# Altium PCB 2014_FDP_PCB.PcbDoc (part 4 of 4)
Units mil, origin at the board's own origin, x right, y up, seen from the top; angles counter-clockwise.
Board outline 4330.71 x 10236.22 mil, 4 copper layers (1-TOP, 2-GND, 3-SIGNAL, 4-BOT); 394 components, 292 nets, 1439 pads, 525 vias.
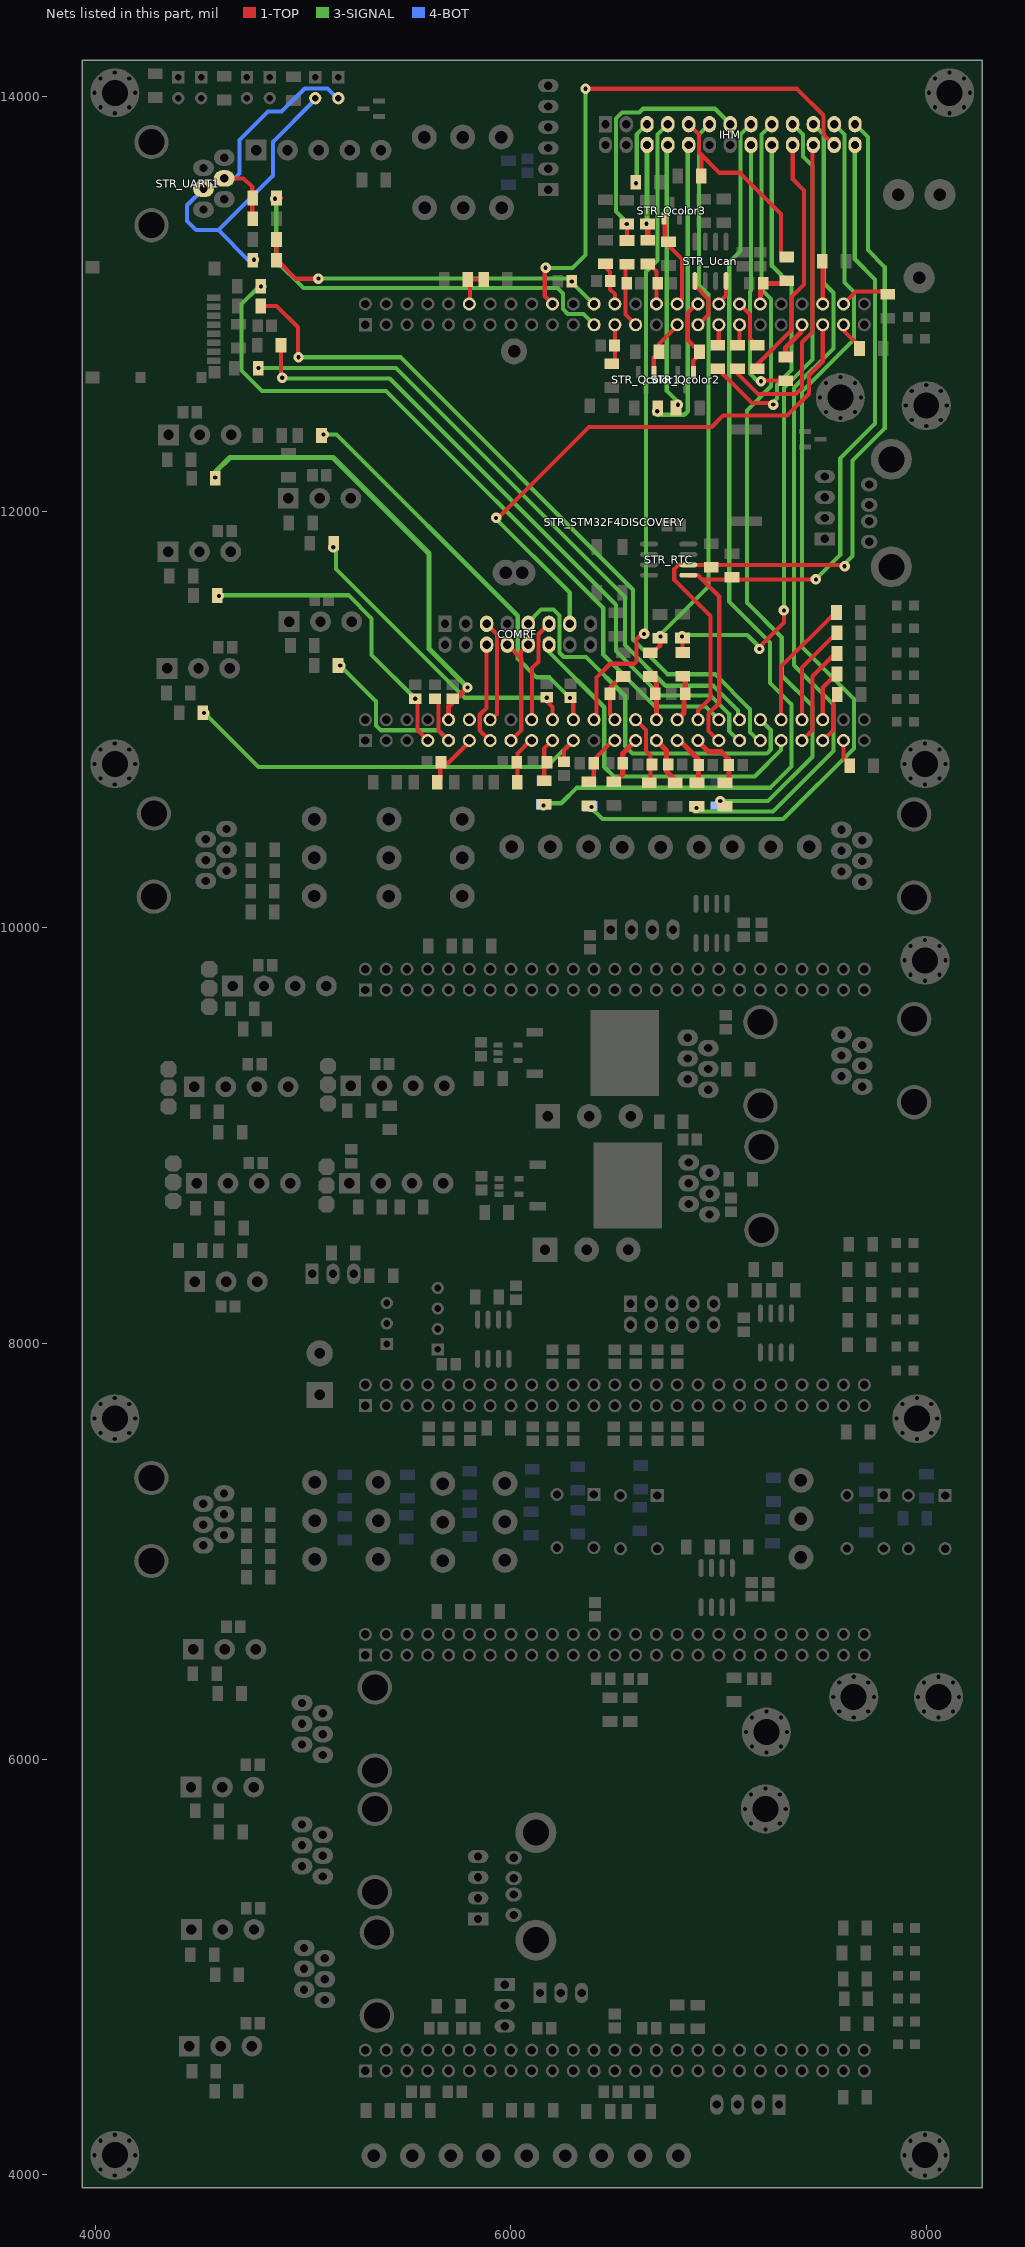
[diagram p6: the nets of this part, all layers, seen from the top]

## Via types
v1: diameter 50, hole 20, 1-TOP to 4-BOT, 525 vias

## Nets (pads, with @x,y where several pads share a name; then routed paths per layer and width w, separated by ;. In a path a pad name is that pad's centre, name@x,y a point inside that pad or via, vN(x,y) a via of type N, cw(c..) or ccw(c..) an arc to the next point about the centre after c; other vN are vias at no path point) (continued)
STR_IHM_BIROUTE: IHM.13 STR_RpuBPD7.1 STR_RsBPD7.1 | length 1199.9
  1-TOP w20: STR_RsBPD7.1@6558,13305.09 STR_RpuBPD7.1@6558,13376
  3-SIGNAL w20: v1@6563,13387 6505,13445 6505,13601 6505,13891.7 6534.67,13921.37 6617.37,13921.37 6635,13939 6981,13939 IHM.13@7055,13865
  other v1: 6557,13384
STR_IHM_BP_MENU_LCD+: IHM.19 STR_RpuBPE14.1 STR_RsBPE14.1 | length 3147.6
  1-TOP w20: STR_RsBPE14.1@6825,11323 STR_RpuBPE14.1@6825,11392.91 STR_RpuBPE14.1@6832.06,11385.85 ; v1@7196,11349 7314,11467 v1@7314,11520
  3-SIGNAL w20: v1@6816,11408 7137,11408 v1@7199,11346 ; v1@7313,11522 7313,12595 7450,12732 7450,13665 7405,13710 7405,13815 IHM.19@7355,13865
  other v1: 7195,11340 6823,11401 7313,11526
STR_IHM_BP_MENU_LCD-: IHM.17 STR_RpuBPE15.1 STR_RsBPE15.1 | length 3785.5
  3-SIGNAL w20: v1@7014,10609 7237,10609 7450,10822 7450,11066 7303,11213 7303,11395 7135,11563 7135,12488 7251,12604 7251,13023 7205,13069 7205,13815 IHM.17@7255,13865
  other v1: 7007,10609
STR_IHM_BP_MENU_LCD_OK: IHM.21 STR_RpuBPE13.1 STR_RsBPE13.1 | length 4003.5
  3-SIGNAL w20: v1@6880,10559 7261,10559 7551,10849 7551,11073 7362,11262 7362,12597 7551,12786 7551,13054 7505,13100 7505,13815 IHM.21@7455,13865
  other v1: 6892,10576
STR_IHM_BP_PRINT_MATCH: IHM.9 STR_RpuBPA15.1 STR_RsBPA15.1 | length 1005.4
  1-TOP w20: IHM.9@6855,13865 6904.09,13815.91 6904.09,13729.91 7003.06,13630.93 7102.06,13630.93 7300,13433 STR_RsBPA15.1@7300,13217.09 ; 6906,13727 6916.09,13716.91 STR_RpuBPA15.1@6916.09,13616
STR_IHM_BP_SELFTEST: IHM.11 STR_RpuBPE12.1 STR_RsBPE12.1 | length 2704.6
  1-TOP w20: STR_RsBPE12.1@6670,11322.09 6684.09,11322.09 6718,11356 STR_RpuBPE12.1@6718,11401
  3-SIGNAL w20: v1@6715,11405 6951,11641 6951,13045 6905,13091 6905,13815 IHM.11@6955,13865
  other v1: 6719,11401
STR_IHM_BP_SET: IHM.15 STR_RpuBPC5.1 STR_RsBPC5.1 | length 4524.1
  3-SIGNAL w20: v1@6157,10598 6242,10598 6317,10673 7248,10673 7350,10775 7350,11074 7247,11177 7247,11371 7050,11568 7050,13199 7105,13254 7105,13815 IHM.15@7155,13865
  other v1: 6156,10588
STR_IHM_LCD_RESET: IHM.24 STR_STM32F4DISCOVERY.70 | length 2553.7
  1-TOP w20: v1@6163,13165 6163,13037 STR_STM32F4DISCOVERY.70@6200,13000 ; v1@6364,14035 7377,14035 7504.09,13907.91 7504.09,13815.91 IHM.24@7555,13765
  3-SIGNAL w20: v1@6168,13173 6297,13173 6359,13235 v1(6359,14035)
  other v1: 6167,13174
STR_IHM_LED_BLUE: IHM.5 STR_RledColor3.2 | length 302.7
  3-SIGNAL w20: v1@6605,13583 6605,13815 IHM.5@6655,13865
  other v1: 6601,13581
STR_IHM_LED_GREEN: IHM.10 STR_RledColor1.2 | length 1435.7
  3-SIGNAL w20: v1@6705,12467 6834,12467 6851,12484 6851,13761 IHM.10@6855,13765
  other v1: 6704,12484
STR_IHM_LED_IHM+: IHM.20 STR_RsLedC11.2 | length 1186.7
  1-TOP w20: STR_RsLedC11.2@7185,12687.91 7185,12709 7350,12874 7350,13034 7410,13094 7410,13546 7356,13600 IHM.20@7356,13759
STR_IHM_LED_IHM-: IHM.18 STR_RsLedC12.2 | length 1657.9
  1-TOP w20: STR_RsLedC12.2@6995,12687.91 7091.91,12591 7092,12591 7160,12523 v1@7276,12523
  3-SIGNAL w20: IHM.18@7255,13765 7255,13184 7350,13089 7350,12682 7280,12612 7280,12546 v1@7265,12531
  other v1: 7262,12516
STR_IHM_LED_IHM_OK: IHM.22 STR_RsLedC10.2 | length 1580.7
  1-TOP w20: STR_RsLedC10.2@7082,12688 7082,12673 7188,12567 7371,12567 7400,12596 7400,12816 7450,12866 7450,13760 IHM.22@7455,13765
STR_IHM_LED_IHM_SET: IHM.16 STR_RsLedA8.2 | length 1278.2
  1-TOP w20: v1@7208,12631 STR_RsLedA8.2@7331.09,12631
  3-SIGNAL w20: IHM.16@7155,13765 7155,13064 7150,13059 7150,12665 v1@7187.5,12627.5
  other v1: 7203,12628
STR_IHM_LED_RED: IHM.8 STR_RledColor2.2 | length 1275.2
  3-SIGNAL w20: IHM.8@6755,13765 6750,13760 6750,12581 v1@6813,12518
  other v1: 6803,12515
STR_IHM_SCL: IHM.25 STR_Rscl.1 STR_RTC.6 STR_STM32F4DISCOVERY.34 | length 3882.8
  1-TOP w20: STR_RTC.6@6830,11745 6806,11745 6786,11725 6786,11672 6960,11498 6960,11104 6900,11044 STR_STM32F4DISCOVERY.34@6900,11000 ; STR_RTC.6@6853.49,11745 v1@7596,11745
  3-SIGNAL w20: v1@7598,11741 7644,11787 7644,12247 7798,12401 7798,13178 7717,13259 7717,13803 IHM.25@7655,13865
  other v1: 7605,11738
STR_IHM_SDA: IHM.26 STR_Rsda.1 STR_RTC.5 STR_STM32F4DISCOVERY.35 | length 3707.5
  1-TOP w20: STR_RTC.5@6853.49,11695 6900,11695 6920,11675 ; STR_STM32F4DISCOVERY.35@6997,10899 6950,10946 6950,11029 7002,11081 7002,11593 6920,11675 ; v1@7465,11675 6920,11675
  3-SIGNAL w20: v1@7475,11684 7584,11793 7584,12256 7752,12424 7752,13118 7654,13216 7654,13749 7655,13750 IHM.26@7655,13765
  other v1: 7467,11675
STR_IHM_SW_COLOR: IHM.6 STR_RpuBPD6.1 STR_RsBPD6.1 | length 444.9
  1-TOP w25: STR_RsBPD6.1@6658,13306.09 STR_RpuBPD6.1@6658,13375
  3-SIGNAL w25: v1@6655,13389 6655,13683 IHM.6@6655,13765
  other v1: 6653,13386
STR_IHM_SW_LCD: IHM.23 STR_RpuBPE7.1 STR_RsBPE7.1 | length 4681.7
  3-SIGNAL w20: v1@6381,10581 6440,10522 7308,10522 ; 7310,10522 7650,10862 7650,11099 7400,11349 7400,12579 7650,12829 7650,13058 7605,13103 7605,13815 IHM.23@7555,13865
  other v1: 6387,10580
STR_PA0_BP_RUN_MATCH: STR_STM32F4DISCOVERY.12
STR_PA1_SW_DEBUG: STR_CfSWA1.2 STR_RsSWA1.2 STR_STM32F4DISCOVERY.11 | length 277.4
  1-TOP w20: STR_RsSWA1.2@5646.09,10699 5660,10712.91 5660,10793 5699,10793 STR_STM32F4DISCOVERY.11@5797,10891
STR_PA2_XBEE_TX: COMRF.5 STR_STM32F4DISCOVERY.14 | length 491.9
  1-TOP w20: COMRF.5@5883,11461 5933,11411 5933,11028 STR_STM32F4DISCOVERY.14@5906,11001
STR_PA3_XBEE_RX: COMRF.6 STR_STM32F4DISCOVERY.13 | length 523.2
  1-TOP w20: STR_STM32F4DISCOVERY.13@5879,10921 STR_STM32F4DISCOVERY.13@5900,10900 ; COMRF.6@5879,11354 COMRF.6@5880,11355 ; COMRF.6@5883,11361 5883,11057 5850,11024 5850,10949 STR_STM32F4DISCOVERY.13@5897,10902
STR_PA5_RF_XBEE_RESET: COMRF.8 COMRF.10 STR_STM32F4DISCOVERY.15 | length 579.6
  1-TOP w20: COMRF.8@5983,11361 6047,11297 6048,11297 ; STR_STM32F4DISCOVERY.15@6000,10900 6050,10950 6050,11295 6048,11297 ; COMRF.10@6076,11355 6048,11327 6048,11297
STR_PA6_RF_CONFIG: COMRF.11 STR_STM32F4DISCOVERY.18 | length 500.6
  1-TOP w20: STR_STM32F4DISCOVERY.18@6102,10994 6102,11248 6133,11279 6133,11411 COMRF.11@6183,11461
STR_PA7_SW_VERBOSE: STR_CfSWA7.2 STR_RsSWA7.2 STR_STM32F4DISCOVERY.17 | length 228.5
  1-TOP w20: STR_RsSWA7.2@6031.09,10699 6031.09,10837.09 STR_STM32F4DISCOVERY.17@6095,10901
STR_PA8_LED_IHM_SET: STR_RsLedA8.1 STR_STM32F4DISCOVERY.93 | length 181.7
  1-TOP w25: STR_RsLedA8.1@7322,12745.09 7322,12790 7394,12862 STR_STM32F4DISCOVERY.93@7394,12897
STR_PA15_BP_PRINT_MATCH: STR_CfBPA15.2 STR_RsBPA15.2 STR_STM32F4DISCOVERY.90 | length 172.4
  1-TOP w25: STR_STM32F4DISCOVERY.90@7200,13000 7200,13068 7230,13098 STR_RsBPA15.2@7292,13098
STR_PB0_MESURE_24V: STR_Cmes24.2 STR_Rsmed24.2 STR_STM32F4DISCOVERY.22 | length 1928.1
  1-TOP w20: STR_Cmes24.2@6285,11097 6300,11082 STR_STM32F4DISCOVERY.22@6300,11000
  3-SIGNAL w20: v1@5104,12372 5161,12372 6033,11500 6033,11295 6124,11204 6185,11204 v1(6284,11105)
  other v1: 5099,12372
STR_PB1_CAPTEUR: STR_CfDTb1.2 STR_RfDTb1.2 STR_STM32F4DISCOVERY.21 | length 2047.2
  1-TOP w20: STR_CfDTb1.2@6255,10798.46 6255,10853 STR_STM32F4DISCOVERY.21@6295,10893
  3-SIGNAL w20: v1@4525,11033 4786,10772 6172,10772 STR_STM32F4DISCOVERY.21@6300,10900
  other v1: 4524,11032
STR_PB2_RFU: IHM.7 STR_STM32F4DISCOVERY.24 | length 3088
  1-TOP w20: STR_STM32F4DISCOVERY.24@6400,11000 6412,11012 6412,11203 6478,11269 6592,11269 6604,11281 6604,11387 v1@6636,11419
  3-SIGNAL w20: v1@6650,11404 6650,13155 6705,13210 6705,13815 IHM.7@6755,13865
  other v1: 6641,11413
STR_PB4_SW_XBEE_ON/OFF: STR_CfSWB4.2 STR_RsSWB4.2 STR_STM32F4DISCOVERY.75 | length 192.6
  1-TOP w20: STR_RsSWB4.2@6489,12712 6500,12723 STR_STM32F4DISCOVERY.75@6500,12900
STR_PB5_SW_SAVE_ON/OFF: STR_CfSWB5.2 STR_RsSWB5.2 STR_STM32F4DISCOVERY.76 | length 209.6
  1-TOP w20: STR_RsSWB5.2@6455,13192.91 6455,13176 6477,13154 6477,13070 6500,13047 STR_STM32F4DISCOVERY.76@6500,13002
STR_PB6_U1TX: STR_RsU1tx.2 STR_STM32F4DISCOVERY.73 | length 2025.4
  1-TOP w20: STR_RsU1tx.2@4872.09,13510 4873.09,13509 STR_RsU1tx.2@4894,13509
  3-SIGNAL w20: v1@4871,13510 4871,13208 5002,13077 6224,13077 6250,13051 6250,12975 6273.5,12951.5 6348.5,12951.5 STR_STM32F4DISCOVERY.73@6400,12900
  other v1: 4865,13506
STR_PB7_U1RX: STR_Cu1rx.2 STR_RpuU1rx.1 STR_Rsu1rx.1 STR_STM32F4DISCOVERY.74 | length 1710.2
  1-TOP w20: STR_RpuU1rx.1@4872.09,13310 4872.09,13215.09 4966.17,13121 v1@5072,13121
  3-SIGNAL w20: v1(5074,13122) 6275,13122 6366,13031 STR_STM32F4DISCOVERY.74@6399,12998
  other v1: 6293,13108
STR_PB12_SD_CS: STR_RsdCS.1 STR_STM32F4DISCOVERY.36 | length 3563.1
  3-SIGNAL w20: v1@4790,13085 4704,12999 4704,12680 4802,12582 5399,12582 6444,11537 6444,11314 6694,11064 6936,11064 STR_STM32F4DISCOVERY.36@7000,11000
  other v1: 4798,13084
STR_PB13_SD_SCK: STR_RsdSck.1 STR_STM32F4DISCOVERY.37 | length 3267.6
  1-TOP w20: v1@4894.09,12639.09 STR_RsdSck.1@4894.09,12802
  3-SIGNAL w20: v1@4891,12642 5417,12642 6506,11553 6506,11330 6720,11116 6961,11116 7050,11027 7050,10946 STR_STM32F4DISCOVERY.37@7096,10900
  other v1: 4900,12645
STR_PB14_SD_MISO: STR_RsdMiso.1 STR_STM32F4DISCOVERY.38 | length 3169.5
  3-SIGNAL w20: v1(4785,12692) 5447,12692 6549,11590 6549,11359 6745,11163 6974,11163 7092,11045 STR_STM32F4DISCOVERY.38@7092,11000
STR_PB15_SD_MOSI: STR_RsdMosi.1 STR_STM32F4DISCOVERY.39 | length 3561.5
  1-TOP w20: STR_RsdMosi.1@4797.09,12990 4873,12990 4975,12888 v1@4975,12740
  3-SIGNAL w20: v1@4974,12744 5469,12744 6588,11625 6588,11385 6754,11219 6981,11219 7150,11050 7150,10940 STR_STM32F4DISCOVERY.39@7196,10894
  other v1: 4978,12744
STR_PC1_CAPTEUR: STR_CfDTc1.2 STR_RfDTc1.2 STR_STM32F4DISCOVERY.7 | length 1475.1
  1-TOP w20: STR_CfDTc1.2@5550,11098 5550,10950 STR_STM32F4DISCOVERY.7@5600,10900
  3-SIGNAL w20: v1@4593,11599 5218,11599 5330,11487 5330,11311 v1(5540,11101)
  other v1: 4595,11595
STR_PC2_CAPTEUR: STR_CfDTc2.2 STR_RfDTc2.2 STR_STM32F4DISCOVERY.10 | length 2184.4
  1-TOP w25: STR_STM32F4DISCOVERY.10@5700,11000 5700,11064 v1(5791,11155)
  3-SIGNAL w25: v1@4582,12167 4582,12195 4649,12262 5144,12262 5606,11800 5606,11341 v1@5791,11156
  other v1: 4578,12165
STR_PC3_CAPTEUR: STR_CfDTc3.2 STR_RfDTc3.2 STR_STM32F4DISCOVERY.9 | length 954.7
  1-TOP w20: STR_CfDTc3.2@5636,11100 5651.5,11084.5 5651.5,10948.5 STR_STM32F4DISCOVERY.9@5700,10900
  3-SIGNAL w20: v1@5181,11259 5351.5,11088.5 5351.5,10972.42 5374.92,10949 5652,10949 STR_STM32F4DISCOVERY.9@5695,10906
  other v1: 5179,11260
STR_PC4_CAPTEUR: STR_CfDTc4.2 STR_RfDTc4.2 STR_STM32F4DISCOVERY.20 | length 1468.1
  1-TOP w20: STR_CfDTc4.2@6162,11099 6200,11061 STR_STM32F4DISCOVERY.20@6200,11000
  3-SIGNAL w20: 5158,11808 5158,11725 5777,11106 v1(6172,11106)
  other v1: 5145,11830
STR_PC5_BP_SET: STR_CfBPC5.2 STR_RsBPC5.2 STR_STM32F4DISCOVERY.19 | length 199.2
  1-TOP w20: STR_RsBPC5.2@6160,10707.09 6160,10861 STR_STM32F4DISCOVERY.19@6192,10893
STR_PC6_LED_BEACON_1_G: STR_RledC6.1 STR_STM32F4DISCOVERY.97 | length 131.7
  1-TOP w20: STR_STM32F4DISCOVERY.97@7600,12900 7600,12873 STR_RledC6.1@7674,12799
STR_PC7_LED_BEACON_1_R: STR_RledC7.1 STR_STM32F4DISCOVERY.98 | length 215.9
  1-TOP w20: STR_STM32F4DISCOVERY.98@7600,13000 7660,13060 STR_RledC7.1@7791,13060
STR_PC8_SYNCHROBALISE: COMRF.13 STR_STM32F4DISCOVERY.95 | length 2758.2
  1-TOP w20: v1@5938,11971 6375,12408 6966,12408 7021,12463 7329,12463 7434,12568 7434,12657 7500,12723 STR_STM32F4DISCOVERY.95@7500,12900
  3-SIGNAL w20: v1@5925.5,11968.5 6283,11611 COMRF.13@6283,11461
  other v1: 5929,11971
STR_PC9_BUZZER: STR_RsBuz.1 STR_STM32F4DISCOVERY.96 | length 195
  1-TOP w20: STR_STM32F4DISCOVERY.96@7500,13000 STR_RsBuz.1@7500,13195
STR_PC10_LED_IHM_OK: STR_RsLedC10.1 STR_STM32F4DISCOVERY.87 | length 90
  1-TOP w20: STR_RsLedC10.1@7100,12810 STR_STM32F4DISCOVERY.87@7100,12900
STR_PC11_LED_IHM_+: STR_RsLedC11.1 STR_STM32F4DISCOVERY.88 | length 229.1
  1-TOP w20: STR_STM32F4DISCOVERY.88@7100,13000 7150,12950 7150,12834 STR_RsLedC11.1@7180,12804
STR_PC12_LED_IHM_-: STR_RsLedC12.1 STR_STM32F4DISCOVERY.85 | length 89
  1-TOP w20: STR_RsLedC12.1@7000,12811 STR_STM32F4DISCOVERY.85@7000,12900
STR_PC13_WHO_AM_I: STR_RdwnWAmI.2 STR_RupWAmI.1 STR_STM32F4DISCOVERY.62 | length 192
  1-TOP w20: STR_RupWAmI.1@5793.09,13118 STR_RdwnWAmI.2@5868.91,13118 STR_RdwnWAmI.2@5869,13118 ; STR_STM32F4DISCOVERY.62@5802.91,13003.91 STR_RupWAmI.1@5802.91,13120
STR_PD0_CANRX: STR_STM32F4DISCOVERY.86 STR_Ucan.4 | length 113.1
  1-TOP w20: STR_STM32F4DISCOVERY.86@7000,13000 7000,13006 7034,13040 STR_Ucan.4@7034,13099
STR_PD1_CANTX: STR_STM32F4DISCOVERY.83 STR_Ucan.1 | length 251.1
  1-TOP w20: STR_Ucan.1@6885,13110.51 6885,13088 6951,13022 6951,12949 STR_STM32F4DISCOVERY.83@6907,12905
STR_PD2_LED_COLOR: STR_Qcolor2.1 STR_RpdColor2.2 STR_STM32F4DISCOVERY.84 | length 356.3
  1-TOP w20: STR_Qcolor2.1@6877.4,12672.4 6877.4,12728.4 STR_RpdColor2.2@6900,12751 ; STR_STM32F4DISCOVERY.84@6891,12999 6851.5,12959.5 6851.5,12825.58 STR_RpdColor2.2@6907.09,12770
STR_PD3_LED_COLOR: STR_Qcolor1.1 STR_RpdColor1.2 STR_STM32F4DISCOVERY.81 | length 263
  1-TOP w20: STR_Qcolor1.1@6687.4,12672.4 6687.4,12742.4 STR_RpdColor1.2@6715,12770 ; STR_RpdColor1.2@6712.09,12770 6712.09,12808.09 STR_STM32F4DISCOVERY.81@6794,12890
STR_PD4_LED_COLOR: STR_Qcolor3.1 STR_RpdColor3.2 STR_STM32F4DISCOVERY.82 | length 438.4
  1-TOP w20: STR_RpdColor3.2@6740,13317 STR_Qcolor3.1@6740,13411 ; STR_RpdColor3.2@6763,13310 6763,13277 6823,13217 6823,13023 STR_STM32F4DISCOVERY.82@6800,13000
STR_PD6_SW_COLOR: STR_CfBPD6.2 STR_RsBPD6.2 STR_STM32F4DISCOVERY.80 | length 202.3
  1-TOP w20: STR_RsBPD6.2@6668,13189 6700,13157 STR_STM32F4DISCOVERY.80@6700,13000
STR_PD7_BIROUTE: STR_CfBPD7.2 STR_RsBPD7.2 STR_STM32F4DISCOVERY.77 | length 311.5
  1-TOP w20: STR_RsBPD7.2@6548,13190 6551,13187 6551,12949 STR_STM32F4DISCOVERY.77@6600,12900
STR_PD8_RF_TX: COMRF.9 STR_STM32F4DISCOVERY.40 | length 1895.5
  3-SIGNAL w20: COMRF.9@6084,11469 6145,11530 6205,11530 6233,11502 6233,11322 6254,11301 6362,11301 6550,11113 6550,10873 6585,10838 7231,10838 7250,10857 7250,10950 STR_STM32F4DISCOVERY.40@7200,11000
STR_PD9_RF_RX: COMRF.12 STR_STM32F4DISCOVERY.41 | length 1656.9
  3-SIGNAL w20: COMRF.12@6178,11349 6183,11344 6183,11326 6449,11060 6449,10773 6495,10727 7173,10727 7300,10854 STR_STM32F4DISCOVERY.41@7300,10900
STR_PD10_ERROR: STR_Rderror.1 STR_STM32F4DISCOVERY.42 | length 617
  1-TOP w20: STR_STM32F4DISCOVERY.42@7300,11000 7300,11255 STR_Rderror.1@7556,11511
STR_PD11_SELFTEST: STR_Rdselftest.1 STR_STM32F4DISCOVERY.43 | length 489.5
  1-TOP w20: STR_STM32F4DISCOVERY.43@7400,10900 7450,10950 7450,11209 STR_Rdselftest.1@7563,11322
STR_PD12_RUN: STR_Rdrun.1 STR_STM32F4DISCOVERY.44 | length 480.1
  1-TOP w20: STR_STM32F4DISCOVERY.44@7400,11000 7400,11251 STR_Rdrun.1@7562,11413
STR_PD13_CAN: STR_Rdcan.1 STR_STM32F4DISCOVERY.45 | length 236.2
  1-TOP w20: STR_STM32F4DISCOVERY.45@7500,10900 7551,10951 7551,11091 STR_Rdcan.1@7568,11108
STR_PD14_UART: STR_Rduart.1 STR_STM32F4DISCOVERY.46 | length 238.9
  1-TOP w20: STR_STM32F4DISCOVERY.46@7500,11000 7500,11154 STR_Rduart.1@7560,11214
STR_PD15_USER: STR_Rduser.1 STR_STM32F4DISCOVERY.47 | length 119.4
  1-TOP w20: STR_STM32F4DISCOVERY.47@7600,10900 7600,10816 STR_Rduser.1@7625,10791
STR_PE7_SW_LCD: STR_CfBPE7.2 STR_RsBPE7.2 STR_STM32F4DISCOVERY.25 | length 238.2
  1-TOP w20: STR_RsBPE7.2@6398.46,10713.46 STR_CfBPE7.2@6398.46,10790 ; STR_CfBPE7.2@6400,10785 6400,10809 6491,10900 STR_STM32F4DISCOVERY.25@6500,10900
STR_PE8_SW_EVIT: STR_CfSWE8.2 STR_RsSWE8.2 STR_STM32F4DISCOVERY.26 | length 231.8
  1-TOP w20: STR_STM32F4DISCOVERY.26@6500,11000 6476,11024 6476,11154 STR_RsSWE8.2@6524,11202
STR_PE9_SW_STRAT1: STR_CfSWE9.2 STR_RsSWE9.2 STR_STM32F4DISCOVERY.27 | length 233.4
  1-TOP w25: STR_RsSWE9.2@6505,10706 6538,10739 6538,10838 STR_STM32F4DISCOVERY.27@6600,10900
"STR_PE10_SW _STRAT2": STR_CfSWE10.2 STR_RsSWE10.2 STR_STM32F4DISCOVERY.28 | length 328.4
  1-TOP w20: STR_STM32F4DISCOVERY.28@6600,11000 6649,10951 6649,10850 6671,10828 STR_RsSWE10.2@6671,10701
STR_PE11_SW_STRAT3: STR_CfSWE11.2 STR_RsSWE11.2 STR_STM32F4DISCOVERY.29 | length 238.6
  1-TOP w25: STR_STM32F4DISCOVERY.29@6700,10900 6748,10852 6748,10752 STR_RsSWE11.2@6798,10702
STR_PE12_BP_SELFTEST: STR_CfBPE12.2 STR_RsBPE12.2 STR_STM32F4DISCOVERY.30 | length 216.1
  1-TOP w25: STR_RsBPE12.2@6670,11207.91 6696.91,11181 ; STR_STM32F4DISCOVERY.30@6700,11000 6700,11178
STR_PE13_BP_MENU_LCD_OK: STR_CfBPE13.2 STR_RsBPE13.2 STR_STM32F4DISCOVERY.31 | length 252.7
  1-TOP w25: STR_STM32F4DISCOVERY.31@6800,10900 6812,10900 6903,10809 STR_RsBPE13.2@6903,10697
STR_PE14_BP_MENU_LCD+: STR_CfBPE14.2 STR_RsBPE14.2 STR_STM32F4DISCOVERY.32 | length 202.8
  1-TOP w25: STR_STM32F4DISCOVERY.32@6800,11000 6832,11032 STR_CfBPE14.2@6832,11124 ; STR_CfBPE14.2@6838.46,11125 STR_RsBPE14.2@6838.46,11190.54
STR_PE15_BP_MENU_LCD-: STR_CfBPE15.2 STR_RsBPE15.2 STR_STM32F4DISCOVERY.33 | length 294.4
  1-TOP w25: STR_STM32F4DISCOVERY.33@6900,10900 6900,10896 6950,10846 7012,10846 7048,10810 STR_CfBPE15.2@7048,10796 ; STR_RsBPE15.2@7030,10697.09 7049,10716.09 STR_CfBPE15.2@7049,10782
STR_U1RX: STR_JPr.2 STR_Rsu1rx.2 STR_UART1.4 | length 1390.5
  4-BOT w20: STR_UART1.4@4521,13554 4442,13475 4442,13399 4486,13355 4593,13355 ; v1@4751,13212 4736,13212 4593,13355 ; STR_JPr.2@5055,13980 4855,13780 4855,13617 4593,13355
  other v1: 4764,13213
STR_U1TX: STR_JPt.2 STR_RpuU1tx.1 STR_RsU1tx.1 STR_UART1.3 | length 1146.2
  1-TOP w20: STR_UART1.3@4621,13604 4714,13604 4756,13562 STR_RpuU1tx.1@4756,13410
  4-BOT w20: STR_UART1.3@4621,13604 4670,13604 4694,13628 4694,13789 4831,13926 4897,13926 5008,14037 5117,14037 STR_JPt.2@5168,13986
pads on no net: ACT__Mot12.FIX1 ACT__Mot12.FIX2 ACT_BPE12.2 ACT_BPE12.4 ACT_BPE13.2 ACT_BPE13.4 ACT_BPE14.2 ACT_BPE14.4 ACT_BPE15.2 ACT_BPE15.4 ACT_cod1.FIX1 ACT_cod1.FIX2 ACT_cod2.FIX1 ACT_cod2.FIX2 ACT_mot34.FIX1 ACT_mot34.FIX2 ACT_RFU.4 ACT_STM32F4DISCOVERY.3 ACT_STM32F4DISCOVERY.4 ACT_STM32F4DISCOVERY.6 ACT_STM32F4DISCOVERY.8 ACT_STM32F4DISCOVERY.12 ACT_STM32F4DISCOVERY.16 ACT_STM32F4DISCOVERY.18 ACT_STM32F4DISCOVERY.48 ACT_STM32F4DISCOVERY.57 ACT_STM32F4DISCOVERY.58 ACT_STM32F4DISCOVERY.59 ACT_STM32F4DISCOVERY.60 ACT_STM32F4DISCOVERY.61 ACT_STM32F4DISCOVERY.63 ACT_STM32F4DISCOVERY.64 ACT_STM32F4DISCOVERY.65 ACT_STM32F4DISCOVERY.66 ACT_STM32F4DISCOVERY.67 ACT_STM32F4DISCOVERY.68 ACT_STM32F4DISCOVERY.69 ACT_STM32F4DISCOVERY.71 ACT_STM32F4DISCOVERY.72 ACT_STM32F4DISCOVERY.78 ACT_STM32F4DISCOVERY.79 ACT_STM32F4DISCOVERY.82 ACT_STM32F4DISCOVERY.89 ACT_STM32F4DISCOVERY.91 ACT_STM32F4DISCOVERY.92 ACT_STM32F4DISCOVERY.94 ACT_SwE7.NC1 ACT_SwE8.NC1 ACT_SwE9.NC1 ACT_SwE10.NC1 ACT_SwE11.NC1 ACT_UART1.1 ACT_UART1.2 ACT_UART1.FIX1 ACT_UART1.FIX2 ACT_Ucan.5 BallLauncher.2 BallLauncher.10 Bluetooth.1 Bluetooth.6 COMRF.7 COMRF.14 IHM.14 PRO_codDroite.FIX1 PRO_codDroite.FIX2 PRO_codGauche.FIX1 PRO_codGauche.FIX2 PRO_Motors.FIX1 PRO_Motors.FIX2 PRO_STM32F4DISCOVERY.3 PRO_STM32F4DISCOVERY.4 PRO_STM32F4DISCOVERY.6 PRO_STM32F4DISCOVERY.8 PRO_STM32F4DISCOVERY.12 PRO_STM32F4DISCOVERY.15 PRO_STM32F4DISCOVERY.16 PRO_STM32F4DISCOVERY.17 PRO_STM32F4DISCOVERY.18 PRO_STM32F4DISCOVERY.19 PRO_STM32F4DISCOVERY.24 PRO_STM32F4DISCOVERY.28 PRO_STM32F4DISCOVERY.29 PRO_STM32F4DISCOVERY.31 PRO_STM32F4DISCOVERY.32 PRO_STM32F4DISCOVERY.33 PRO_STM32F4DISCOVERY.34 PRO_STM32F4DISCOVERY.35 PRO_STM32F4DISCOVERY.40 PRO_STM32F4DISCOVERY.41 PRO_STM32F4DISCOVERY.48 PRO_STM32F4DISCOVERY.57 PRO_STM32F4DISCOVERY.58 PRO_STM32F4DISCOVERY.59 PRO_STM32F4DISCOVERY.60 PRO_STM32F4DISCOVERY.61 PRO_STM32F4DISCOVERY.63 PRO_STM32F4DISCOVERY.64 PRO_STM32F4DISCOVERY.65 PRO_STM32F4DISCOVERY.66 PRO_STM32F4DISCOVERY.67 PRO_STM32F4DISCOVERY.68 PRO_STM32F4DISCOVERY.69 PRO_STM32F4DISCOVERY.70 PRO_STM32F4DISCOVERY.71 PRO_STM32F4DISCOVERY.72 PRO_STM32F4DISCOVERY.77 PRO_STM32F4DISCOVERY.78 PRO_STM32F4DISCOVERY.79 PRO_STM32F4DISCOVERY.80 PRO_STM32F4DISCOVERY.81 PRO_STM32F4DISCOVERY.82 PRO_STM32F4DISCOVERY.84 PRO_STM32F4DISCOVERY.87 PRO_STM32F4DISCOVERY.89 PRO_STM32F4DISCOVERY.91 PRO_STM32F4DISCOVERY.92 PRO_STM32F4DISCOVERY.93 PRO_STM32F4DISCOVERY.94 PRO_STM32F4DISCOVERY.97 PRO_STM32F4DISCOVERY.98 PRO_SwE7.NC1 PRO_SwE8.NC1 PRO_SwE9.NC1 PRO_UART1.1 PRO_UART1.2 PRO_UART1.FIX1 PRO_UART1.FIX2 PRO_Ucan.5 PRO_USB_A.FIX1 PRO_USB_A.FIX2 STR_Dbuz.2 STR_MICRO_SD. STR_MICRO_SD.1 STR_MICRO_SD.8 STR_MICRO_SD.10 STR_Qz.2 STR_Qz.3 STR_RTC.7 STR_Rvarbuz.1 STR_STM32F4DISCOVERY.3 STR_STM32F4DISCOVERY.4 STR_STM32F4DISCOVERY.6 STR_STM32F4DISCOVERY.8 STR_STM32F4DISCOVERY.16 STR_STM32F4DISCOVERY.48 STR_STM32F4DISCOVERY.57 STR_STM32F4DISCOVERY.58 STR_STM32F4DISCOVERY.59 STR_STM32F4DISCOVERY.60 STR_STM32F4DISCOVERY.61 STR_STM32F4DISCOVERY.63 STR_STM32F4DISCOVERY.64 STR_STM32F4DISCOVERY.65 STR_STM32F4DISCOVERY.66 STR_STM32F4DISCOVERY.67 STR_STM32F4DISCOVERY.68 STR_STM32F4DISCOVERY.69 STR_STM32F4DISCOVERY.71 STR_STM32F4DISCOVERY.72 STR_STM32F4DISCOVERY.78 STR_STM32F4DISCOVERY.79 STR_STM32F4DISCOVERY.89 STR_STM32F4DISCOVERY.91 STR_STM32F4DISCOVERY.92 STR_STM32F4DISCOVERY.94 STR_SWA1.NC1 STR_SWA7.NC1 STR_SWB4.NC1 STR_SWB5.NC1 STR_SWE8.NC1 STR_SWE9.NC1 STR_SWE10.NC1 STR_SWE11.NC1 STR_UART1.1 STR_UART1.2 STR_UART1.FIX1 STR_UART1.FIX2 STR_Ucan.5 STR_USB_A.FIX1 STR_USB_A.FIX2

## Polygon pours and split planes (outlines as drawn)
GND on 1-TOP "1-GND" (solid, pour order 9): 3952,14158 8253,14158 8253,3952 3952,3952
GND on 2-GND "2-GND" (solid, pour order 8): 3952,14158 8253,14158 8253,3952 3952,3952
GND on 3-SIGNAL "3-GND" (solid, pour order 7): 3952,14158 8253,14158 8253,3952 3952,3952
GND on 4-BOT "4-GND" (solid, pour order 6): 3952,14158 8253,14158 8253,3952 3952,3952
no net on Mechanical 2 "PLAQUE" (solid, pour order 1000): 1666,15232 7835,15232 7835,4927 1666,4927

## Keep-outs
Keep-Out Layer:
  the board outline again, w10

## Silkscreen, mask and mechanical layers (free items; w line width, h text height)
Top Overlay:
  drawing of 5110 lines, arcs and shapes, not listed
  text "BAT54A" at 5424,14053 h40 r270
  text "." at 4286,14047 h40
  text "." at 4619,14035 h40
  text "." at 4955,14033 h40
  text "B4:Xbee" at 5639,14015 h40
  text "ON" at 5618,13958 h40
  text "OFF" at 5797,13958 h40
  text "SCL" at 7676,13922 h40 r90
  text "SelfT" at 6974,13921 h40 r90
  text "BPok" at 7457,13920 h40 r90
  text "Blue" at 6674,13919 h40 r90
  text "PrintM" at 6873,13919 h40 r90
  text "BPM+" at 7376,13919 h40 r90
  text "SWLCD" at 7577,13919 h40 r90
  text "PB2" at 6769,13918 h40 r90
  text "BPSet" at 7174,13918 h40 r90
  text "GND" at 6584,13916 h40 r90
  text "BPM-" at 7274,13916 h40 r90
  text "Birout" at 7043,13909 h40 r90
  text "PRO" at 4451,13882 h40
  text "STR" at 5136,13878 h40
  text "ACT" at 4736,13877 h40
  text "GND" at 6409,13814 h40 r90
  text "GND24" at 4692,13797 h40
  text "Bluetooth" at 6072,13792 h40 r90
  text "Grn" at 6816,13677 h40
  text "5V" at 5420,13663 h40
  text "Rd" at 6756,13647 h40 r90
  text "5Vp" at 5143,13646 h40
  text "5V" at 6556,13645 h40 r90
  text "Clr" at 6638,13645 h40 r90
  text "GND" at 5011,13644 h40
  text "24V" at 4874,13643 h40
  text "3V" at 6463,13641 h40 r90
  text "Vol.Buzzer" at 7824,13620 h40
  text "OFF" at 5875,13615 h40
  text "ON" at 5577,13613 h40
  text "SDA" at 7670,13603 h40 r90
  text "*" at 6846,13597 h40
  text "Cali" at 7003,13588 h40 r90
  text "*" at 6645,13565 h40
  text "10uF" at 5092,13561 h40
  text "LEDM-" at 7271,13531 h40 r90
  text "MOSN" at 6751,13528 h35
  text "LEDM+" at 7371,13528 h40 r90
  text "LEDok" at 7447,13528 h40 r90
  text "LCDrst" at 7528,13515 h40 r90
  text "." at 4813,13508 h40
  text "LEDSet" at 7170,13508 h40 r90
  text "60" at 7085,13476 h40 r270
  text "*" at 6441,13427 h40
  text "*" at 6542,13427 h40
  text "*" at 6642,13427 h40
  text "60" at 6883,13416 h40 r90
  text "10k" at 7921,13403 h40
  text "1M" at 4927,13388 h40
  text "°" at 7097,13309 h30
  text "+" at 4799,13298 h40
  text "-" at 6470,13284 h40 r180
  text "-" at 6574,13284 h40 r180
  text "-" at 6670,13283 h40 r180
  text "B5:Save" at 5648,13271 h40
  text "-" at 4797,13224 h40 r270
  text "*" at 6746,13224 h40
  text "-" at 7536,13219 h40 r270
  text "WhoAmI:Gros Petit" at 5405,13191 h40
  text "-" at 7342,13190 h40 r180
  text "100p" at 6218,13160 h40
  text "5027740891" at 4046,13114 h40 r270
  text "22" at 4849,13093 h40
  text "°" at 6423,13026 h30
  text "°" at 7127,13025 h30
  text "°" at 6531,13020 h30
  text "°" at 6727,13020 h30
  text "MOLEX" at 4116,13019 h40 r270
  text ".      ." at 8081,13007 h80
  text "-" at 86.43,12986 h40
  text "v" at 7828,12975 h40 r90
  text "22" at 4851,12971 h40
  text ".      ." at 8081,12961 h80
  text "°" at 4901,12921 h30
  text ".      ." at 8081,12915 h80
  text ".      ." at 8081,12868 h80
  text ".      ." at 8081,12821 h80
  text "v" at 7749,12799 h40 r180
  text "°" at 6337,12789 h30
  text "22" at 4941,12787 h40
  text ".      ." at 8081,12774 h80
  text "*" at 6838,12751 h40
  text "*" at 6640,12750 h40
  text "." at 6993,12742 h40
  text "." at 7088,12742 h40
  text "." at 7182,12742 h40
  text "." at 7319,12687 h40
  text "10u" at 4866,12678 h40
  text "-" at 6472,12635 h40
  text "22" at 4694,12592 h40
  text "|" at 4037,12590 h250 r270
  text "MOSN" at 6578,12559 h40 r90
  text "MOSN" at 6773,12554 h40 r90
  text "10n" at 4419,12538 h40
  text "*" at 6423,12490 h40
  text "*" at 6637,12483 h40
  text "*" at 6839,12480 h40
  text "BAT54A" at 7247,12435 h40
  text "STR" at 8241,12420 h200 r90
  text "*" at 4828,12346 h40
  text "+" at 5015,12346 h40
  text "USB" at 8121,12331 h40
  text "v" at 4415,12265 h40 r180
  text "10n" at 5026,12223 h40
  text "+" at 4916,12204 h40
  text "+" at 4509,12143 h40
  text "Buzzer" at 6871,12080 h40 r90
  text "CR2032_3V" at 5551,12048 h40 r90
  text "PKLCS1212" at 6961,12003 h40 r90
  text "°" at 6767,11995 h30
  text "v" at 5001,11965 h40 r180
  text "10n" at 4571,11957 h40
  text "2.2k" at 6912,11884 h40
  text "+" at 5075,11834 h40
  text "2.2k" at 7122,11808 h40 r270
  text "v" at 4430,11710 h40 r180
  text "RTC" at 6777,11692 h40 r90
  text "sync" at 6173,11627 h40 r300
  text "10n" at 5031,11624 h40
  text "RFcg" at 6082,11621 h40 r300
  text "RFTx" at 5971,11619 h40 r300
  text "DS1307" at 6651,11619 h40
  text "+" at 4516,11576 h40
  text "ABS25" at 6302,11565 h40 r90
  text "32768Hz" at 6361,11565 h40 r90
  text "Error" at 8029,11534 h40
  text "v" at 7638,11531 h40 r180
  text "GND" at 5703,11518 h40 r90
  text "3V" at 5804,11513 h40 r90
  text "XbTx" at 5880,11509 h40 r90
  text "CANH" at 6312,11509 h40
  text "*" at 6490,11435 h40
  text "*" at 6813,11432 h40
  text "*" at 6703,11431 h40
  text "v" at 7639,11430 h40 r180
  text "Run" at 8029,11400 h40
  text "10n" at 4576,11398 h40
  text "v" at 5012,11376 h40 r180
  text "5V" at 5638,11333 h40 r90
  text "v" at 7642,11330 h40 r180
  text "Selftest" at 8029,11307 h40
  text "-" at 6658,11246 h40
  text "-" at 6811,11246 h40
  text "-" at 6528,11244 h40
  text "+" at 5101,11240 h40
  text "°" at 6265,11238 h30
  text "°" at 5608,11234 h30
  text "v" at 7640,11234 h40 r180
  text "°" at 5697,11233 h30
  text "°" at 5518,11231 h30
  text "GND" at 5806,11201 h40 r90
  text "UART" at 8029,11198 h40
  text "CANL" at 6428,11181 h40 r90
  text "RFRx" at 6120,11173 h40 r75
  text "XbRx" at 5900,11164 h40 r90
  text "v" at 4415,11141 h40 r180
  text "RFRst" at 6071,11139 h40 r90
  text "v" at 7642,11136 h40 r180
  text "XbRst" at 5973,11135 h40 r90
  text "°" at 6386,11122 h30
  text "°" at 6074,11117 h30
  text "°" at 6889,11107 h30
  text "CAN" at 8029,11083 h40
  text "°" at 6647,11044 h30
  text "+" at 4444,11017 h40
  text "User" at 8029,10972 h40
  text "°" at 5928,10850 h30
  text "°" at 6127,10850 h30
  text "°" at 6332,10842 h30
  text "°" at 6521,10841 h30
  text "°" at 6629,10840 h30
  text "°" at 6732,10839 h30
  text "°" at 6928,10837 h30
  text "v" at 7700,10791 h40 r180
  text "°" at 5500,10787 h30
  text "°" at 7172,10772 h30
  text "-" at 5612,10687 h40 r90
  text "-" at 5996,10686 h40 r90
  text "-" at 6174,10682 h40 r180
  text "*" at 5770,10680 h40
  text "*" at 5382,10678 h40
  text "-" at 7045,10660 h40 r180
  text "-" at 6388,10658 h40 r180
  text "-" at 6910,10657 h40 r180
  text "°" at 6238,10645 h30
  text ".      ." at 4882,10635 h80 r180
  text "*" at 6482,10624 h40
  text "*" at 6652,10621 h40
  text "*" at 6775,10618 h40
  text ".      ." at 4882,10588 h80 r180
  text ".      ." at 4882,10541 h80 r180
  text ".      ." at 4882,10495 h80 r180
  text ".      ." at 4882,10449 h80 r180
  text "." at 4810,10368 h40
  text ".                                                                             ." at 5936,10205 h80
  text ".                                                                             ." at 5936,10161 h80
  text "+" at 4791,10152 h40
  text ".                                                                             ." at 5936,10116 h80
  text ".                                                                             ." at 5936,10075 h80
  text "-" at 4830,10063 h40 r90
  text "2014" at 8216,10055 h300 r90
  text "|" at 4019,10032 h150 r270
  text "WhoAmI:Gros Petit" at 5308,9976 h40
  text "100p" at 6192,9922 h40
  text "CAN" at 6730,9877 h40
  text "°" at 7092,9875 h30
  text "1u" at 7176,9867 h40
  text "-" at 4650,9777 h40
  text "^  24  5" at 4804,9616 h40
  text "AN9" at 4471,9589 h150 r90
  text ".            ." at 5339,9586 h80 r180
  text ".            ." at 5339,9543 h80 r180
  text ".            ." at 5339,9498 h80 r180
  text "100p" at 6966,9486 h40 r90
  text ".            ." at 5339,9456 h80 r180
  text ".            ." at 5339,9410 h80 r180
  text "AN13" at 5377,9405 h150
  text "°" at 5762,9400 h30
  text "Cod1" at 7132,9371 h150
  text "-" at 7069,9334 h40 r270
  text "24  5" at 5508,9303 h40
  text "-   v" at 4455,9299 h40
  text "-   v" at 5265,9277 h40
  text "+" at 5891,9253 h40
  text "AUIRF1018" at 6259,9210 h40 r90
  text "24  5" at 4758,9135 h40
  text "TOR1" at 6636,9126 h40
  text "-" at 6750,9079 h40 r270
  text "AN11" at 4258,9063 h150 r90
  text "100p" at 6954,8961 h40
  text "AN12" at 5322,8888 h150
  text "°" at 5835,8861 h30
  text "v" at 5203,8832 h40
  text "-   v" at 4466,8830 h40
  text "24  5" at 5505,8823 h40
  text "-" at 7087,8800 h40 r270
  text "Cod2" at 7225,8746 h150
  text "24  5" at 4769,8666 h40
  text "100p" at 7110,8644 h40
  text "AN7" at 4244,8632 h150 r90
  text "+" at 5917,8608 h40
  text "MOT12->" at 7746,8602 h150 r90
  text "ACT" at 7933,8599 h200 r90
  text "AUIRF1018" at 6268,8588 h40 r90
  text "Pierre&Guy" at 8177,8519 h300 r90
  text "v" at 7693,8489 h40 r180
  text "TOR2" at 6622,8473 h40
  text "Error" at 8015,8450 h40
  text "sondC" at 5308,8397 h120
  text "v" at 7691,8365 h40 r180
  text "-   v  24" at 4464,8362 h40
  text "°" at 6003,8338 h30
  text "+" at 7211,8335 h40
  text "Run" at 8015,8334 h40
  text "BallLauncher" at 6557,8317 h40
  text "D-" at 5543,8250 h40
  text "v" at 7693,8248 h40 r180
  text "4" at 6769,8246 h40
  text "1" at 6668,8245 h40
  text "6" at 6856,8242 h40
  text "5V" at 6538,8240 h40
  text "GND" at 6923,8239 h40
  text "+" at 7298,8234 h40
  text "+" at 7113,8233 h40
  text "Selftst" at 8015,8216 h40
  text "+" at 5870,8202 h40
  text "D" at 5315,8174 h40
  text "MAX485" at 7407,8155 h40 r270
  text "D+" at 5539,8147 h40
  text "v" at 7691,8128 h40 r180
  text "AN8" at 4395,8117 h150 r90
  text "3" at 6812,8111 h40
  text "2" at 6709,8109 h40
  text "MAX485" at 6036,8091 h40 r270
  text "UART" at 8015,8083 h40
  text "12V" at 5260,8073 h40
  text "12V" at 5506,8050 h40
  text "°" at 6478,8032 h30
  text "°" at 6599,8027 h30
  text "°" at 6806,8027 h30
  text "°" at 6701,8025 h30
  text "v" at 7689,8010 h40 r180
  text "5" at 6895,8008 h40
  text "GND12" at 5180,7981 h40
  text "°" at 7063,7970 h30
  text "CAN" at 8015,7968 h40
  text "GND12" at 5422,7914 h40
  text "12V" at 4761,7894 h150
  text "User" at 8015,7857 h40
  text "v" at 7686,7589 h40 r180
  text "-" at 5961,7581 h40 r90
  text "°" at 6474,7442 h30
  text "°" at 6577,7442 h30
  text "°" at 6683,7442 h30
  text "°" at 6778,7442 h30
  text "°" at 6881,7441 h30
  text "E8" at 5000,7406 h40
  text "E7" at 5318,7403 h40
  text "E9" at 5901,7402 h40
  text "E10" at 5603,7400 h40
  text "E14" at 7658,7321 h40
  text "E15" at 7946,7321 h40
  text "100" at 4742,7232 h40
  text "E11" at 7233,7211 h40 r90
  text "." at 4779,7172 h40
  text "1M" at 4881,7096 h30 r270
  text "60" at 7049,7082 h40
  text "60" at 6862,7081 h40
  text "10k" at 4574,6958 h40
  text "+" at 4769,6956 h40
  text "E12" at 6263,6950 h40
  text "E13" at 6567,6943 h40
  text "°" at 7136,6912 h30
  text "-" at 4804,6862 h40 r90
  text "Usinage ELCO-PCB" at 4013,6839 h200 r270
  text "|" at 4189,6825 h250 r270
  text "1u" at 7294,6816 h40 r270
  text "1k" at 4767,6771 h40
  text "WhoAmI:Gros Petit" at 5351,6769 h40
  text "CAN" at 6750,6705 h40
  text "10n" at 4613,6698 h40
  text "100p" at 6500,6664 h40 r90
  text "C2" at 4443,6634 h150
  text "-" at 4447,6592 h40
  text "^  24" at 4632,6428 h40
  text "v" at 4539,6427 h40 r180
  text "1n" at 7291,6368 h40
  text "1n" at 6284,6366 h40
  text "1n" at 6692,6366 h40
  text "+" at 7061,6316 h40
  text "+" at 4637,6295 h40
  text "+" at 6563,6217 h40
  text "+" at 6464,6216 h40
  text "MOTORS" at 5190,6115 h150
  text "10n" at 4706,6037 h40
  text "C3" at 4550,5984 h150
  text "-   v" at 4438,5932 h40
  text "24" at 4741,5768 h40
  text "v" at 4551,5767 h40 r180
  text "+" at 4637,5629 h40
  text "COD LEFT" at 5167,5522 h150
  text "Made in Angers" at 4010,5372 h200 r270
  text "10n" at 4713,5342 h40
  text "USB_HOKUYO" at 6119,5334 h150
  text "C1" at 4551,5285 h150
  text "PRO" at 8014,5273 h200 r90
  text "150" at 7600,5268 h40
  text "-   v" at 4442,5237 h40
  text "v" at 7666,5204 h40 r180
  text "Error" at 8016,5172 h40
  text "v" at 7665,5083 h40 r180
  text "v" at 4534,5074 h40 r180
  text "24" at 4745,5073 h40
  text "Run" at 8016,5056 h40
  text "v" at 7670,4953 h40 r180
  text "+" at 4623,4944 h40
  text "Selftst" at 8016,4938 h40
  text "COD RIGHT" at 5177,4862 h150
  text "v" at 7676,4858 h40 r180
  text "°" at 6482,4836 h30
  text "UART" at 8016,4824 h40
  text "+" at 5687,4790 h40
  text "10n" at 4711,4784 h40
  text "°" at 6637,4765 h30
  text "-" at 6790,4742 h40
  text "100k" at 6967,4738 h40
  text "v" at 7680,4738 h40 r180
  text "C4" at 4539,4722 h150
  text "CAN" at 8016,4709 h40
  text "°" at 5507,4694 h30
  text "°" at 6031,4693 h30
  text "-   v" at 4432,4679 h40
  text "User" at 8016,4598 h40
  text "24" at 4735,4515 h40
  text "v" at 4538,4512 h40 r180
  text "°" at 5423,4390 h30
  text "°" at 5815,4389 h30
  text "°" at 6349,4387 h30
  text "°" at 6712,4387 h30
  text "v" at 7670,4386 h40 r180
  text "+" at 4619,4381 h40
  text "-" at 5532,4326 h40 r270
  text "-" at 6127,4326 h40 r270
  text "-" at 6636,4294 h40 r90
  text "*" at 5351,4290 h40
  text "*" at 5933,4289 h40
  text "*" at 6406,4286 h40
  text "E7" at 6255,4255 h40
  text "-------Legende-------" at 6994,4192 h40
  text "°" at 7171,4133 h30
  text "100n" at 6976,4126 h40
  text "1k  -" at 7644,4124 h40
  text "1M   #" at 7311,4118 h40
  text "150 v" at 7644,4060 h40
  text "100k *" at 7311,4052 h40
  text "E8" at 5185,4003 h40
  text "100 ." at 7644,3996 h40
  text "10k  +" at 7311,3989 h40
  text ".            ." at 4276,3968 h80 r90
  text ".            ." at 4321,3968 h80 r90
  text ".            ." at 4364,3968 h80 r90
  text ".            ." at 4410,3968 h80 r90
  text ".            ." at 4456,3968 h80 r90
  text ".            ." at 4501,3968 h80 r90
  text ".            ." at 4544,3968 h80 r90
  text ".            ." at 4590,3968 h80 r90
  text ".            ." at 4635,3968 h80 r90
  text ".            ." at 4680,3968 h80 r90
  text ".            ." at 4723,3968 h80 r90
  text ".            ." at 4769,3968 h80 r90
  text ".            ." at 4811,3968 h80 r90
  text ".            ." at 4856,3968 h80 r90
  text ".            ." at 4899,3968 h80 r90
  text ".            ." at 4945,3968 h80 r90
  text ".            ." at 4992,3968 h80 r90
  text ".            ." at 5037,3968 h80 r90
  text ".            ." at 5080,3968 h80 r90
  text ".            ." at 5126,3968 h80 r90
  text "E9" at 6892,3961 h40
Bottom Overlay:
  text "IHM" at 7372,14037 h150
  text "BtTX" at 6123,13971 h40
  text "ALIM" at 5028,13872 h40
  text "BtRX" at 6118,13865 h40
  text "10uF" at 5931,13701 h40 r90
  text "100nF" at 6098,13592 h40 r90
  text "5V" at 5395,13562 h40 r90
  text "5Vp" at 5245,13560 h40 r90
  text "GND" at 5091,13559 h40 r90
  text "GND24" at 4786,13555 h40 r90
  text "24V" at 4941,13553 h40 r90
  text "C2" at 4478,12516 h150
  text "C4" at 5146,12214 h150
  text "C1" at 4599,11950 h150
  text "COMRF" at 6619,11720 h150
  text "C3" at 5187,11625 h150
  text "B1" at 4593,11399 h150
  text "MOT34" at 7850,10644 h150
  text "*" at 6170,10631 h40
  text "*" at 7009,10621 h40
  text "*" at 6513,10620 h40
  text "*" at 6679,10620 h40
  text "*" at 6905,10620 h40
  text "*" at 6393,10618 h40
  text "*" at 6798,10615 h40
  text "RFU" at 6734,10126 h150
  text "AN9" at 5113,9861 h150
  text "<-Cod1" at 6763,9535 h150
  text "AN13" at 5843,9380 h150
  text "AN11" at 4809,9377 h150
  text "MOT12" at 8172,8969 h150
  text "AN7" at 4676,8911 h150
  text "TOR1" at 6589,8894 h150
  text "Cod2->" at 7955,8679 h150
  text "sondC" at 5376,8463 h120
  text "AN8" at 4638,8437 h150
  text "AX12" at 5447,8310 h120 r270
  text "TOR2" at 6281,8248 h150
  text "BallLauncher" at 8053,8196 h150
  text "12V" at 4896,8003 h150 r90
  text "RX24" at 5796,7861 h150 r270
  text "-" at 6639,7337 h40
  text "-" at 6336,7332 h40
  text "-" at 7721,7326 h40
  text "-" at 6112,7320 h40
  text "-" at 5812,7311 h40
  text "-" at 8007,7293 h40
  text "-" at 5513,7292 h40
  text "-" at 7273,7275 h40
  text "*" at 6631,7135 h40
  text "*" at 7956,7135 h40
  text "*" at 7723,7131 h40
  text "*" at 6336,7122 h40
  text "*" at 6108,7111 h40
  text "*" at 5815,7106 h40
  text "*" at 5510,7095 h40
  text "*" at 5214,7091 h40
  text "*" at 7269,7074 h40
  text "C2" at 4702,6670 h150
  text "C3" at 4698,6010 h150
  text "Motors" at 5679,5953 h150 r270
  text "CodL" at 5652,5503 h150 r270
  text "C1" at 4702,5317 h150
  text "Robot ESEO 2014" at 8011,5107 h40
  text "Cedric,Kevin,Anthony," at 8141,5035 h40
  text "SondC" at 6574,5008 h120
  text "Amaury,J-Baptiste,Guillaume" at 8141,4975 h40
  text "Florent,Adrien,Arnaud," at 8141,4915 h40
  text "CodR" at 5664,4893 h150 r270
  text "Yassine,Alexis,Samuel," at 8141,4855 h40
  text "Arnaud,Edouard,Alexandre," at 8141,4795 h40
  text "C4" at 4665,4760 h150
  text "Dorian,Sujeeth,Michael" at 8141,4735 h40
  text "Gyro" at 7291,4118 h150
  text "components" at 6171,3979 h40
  text ".component_Count" at 6323,3979 h40
  text "tracks" at 6687,3979 h40
  text ".track_Count" at 6867,3979 h40
  text ".via_Count" at 7257,3979 h40
  text "holes" at 7542,3979 h40
  text ".hole_Count" at 7733,3979 h40
  text "vias" at 7112,3978 h40
Mechanical 1:
  rectangle: 7933,3946 8253,14158
  rectangle: 3955,3949 4275,14161
  text "FixUSBin" at 7873,12380 h60 r90
  text "FixUSBin" at 7050,5919 h60
  text "FixUSBHokuyo" at 7885,5823 h60 r90
  text "Position du connecteur USB HOKUYO" at 6230,5371 h60
  text "Tige support..." at 8388,5201 h60 r90
  text "Tige support..." at 3853,4267 h60 r90

## Dimensions
3937.01,3937.01 to 8267.72,3937.01 on Mechanical 15
3937.01,14173.23 to 3937.01,3937.01 on Mechanical 15

## Text inside footprints (layer, text, board x,y; h text height)
ACT_STM32F4DISCOVERY: Top Overlay "52" at 5319.69,9869.29 h50 r90; Top Overlay "100" at 7721.26,9865.35 h35.43 r90; Top Overlay "P2" at 5213.39,9688.19 h78.74 r90; Top Overlay "1" at 5323.62,7609.45 h50 r90; Top Overlay "2" at 5319.69,7865.35 h50 r90; Top Overlay "99" at 7725.2,9570.08 h35.43 r90; Top Overlay "50" at 7717.32,7869.29 h35.43 r90
PRO_STM32F4DISCOVERY: Top Overlay "99" at 7725.2,6370.08 h35.43 r90; Top Overlay "2" at 5319.69,4665.35 h50 r90; Top Overlay "1" at 5323.62,4409.45 h50 r90; Top Overlay "P1" at 5209.45,4500 h78.74 r90; Top Overlay "P2" at 5213.39,6488.19 h78.74 r90; Top Overlay "100" at 7721.26,6665.35 h35.43 r90; Top Overlay "51" at 5327.56,6362.2 h50 r90; Top Overlay "52" at 5319.69,6669.29 h50 r90; Top Overlay "USB_MICRO_AB" at 7748.82,5657.48 h39.37 r90
STR_MICRO_SD: Top Overlay "MicroSD" at 4088,13199 h40
STR_STM32F4DISCOVERY: Top Overlay "52" at 5319.69,13069.29 h50 r90; Top Overlay "51" at 5327.56,12762.2 h50 r90; Top Overlay "100" at 7721.26,13065.35 h35.43 r90; Top Overlay "P2" at 5213.39,12888.19 h78.74 r90; Top Overlay "P1" at 5209.45,10900 h78.74 r90; Top Overlay "1" at 5323.62,10809.45 h50 r90; Top Overlay "2" at 5319.69,11065.35 h50 r90